# Allegro board 08_041351d.brd (continued)
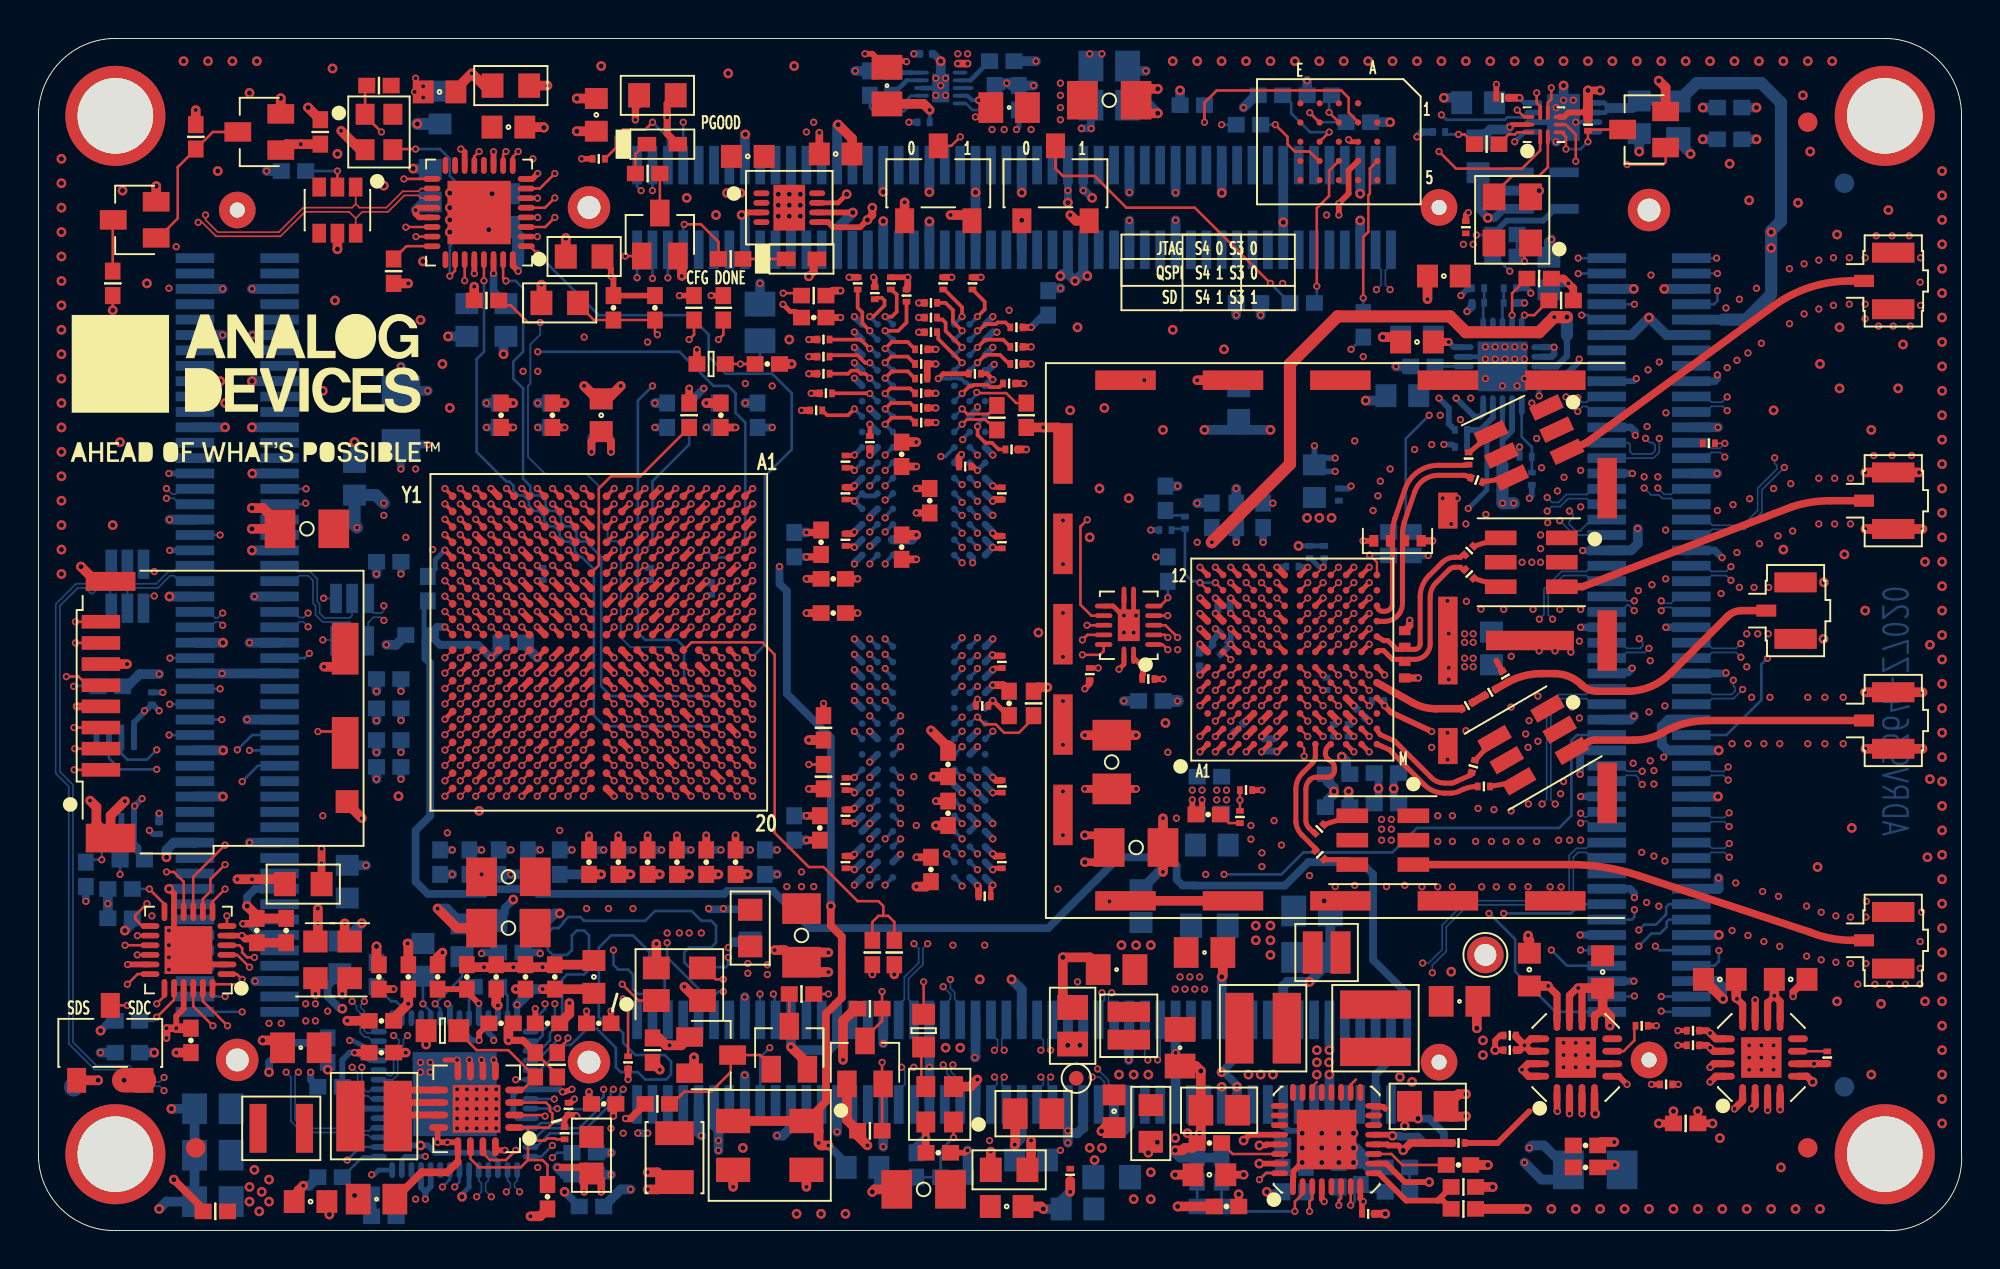
[diagram p0: board, top side]
## Routing (per net, layer and track width the routed paths; a pad name or vN(x,y) marks a point on that pad's centre or on a via; arc(x,y) is an arc through that point) (continued)
UNNAMED_10_RES_I39_N2: length 2.7
  TOP w0.14: Y4.1 77.27,51.04 v1(77.27,50.4)
  BOTTOM w0.14: v1(77.27,50.4) 77.14,50.53 R54.2 R55.2
UNNAMED_13_CN100PODDEVEN_I16_N4: length 6.8
  BOTTOM w0.089: JP3.2 16.31,31.52 16.18,31.64 14.78,31.64 14.4,32.02 14.4,32.49 14.28,32.62 14.28,33.81 14.03,34.06 13.57,34.06 13.29,33.77 JX3.58
UNNAMED_13_CN100PODDEVEN_I16_N5: length 6.8
  BOTTOM w0.089: JP4.2 16.31,31.99 16.18,31.86 14.87,31.86 14.62,32.11 14.62,32.58 14.49,32.71 14.49,33.9 14.12,34.27 13.51,34.27 13.21,34.57 JX3.60
UNNAMED_13_CN100PODDEVEN_I17_N4: length 4.9
  BOTTOM w0.089: JP1.2 4.62,33.25 4.79,33.42 6.22,33.42 6.85,34.06 7.04,34.06 7.32,33.77 JX3.57
UNNAMED_13_CN100PODDEVEN_I17_N5: length 4.8
  BOTTOM w0.089: JP2.2 4.62,33.76 4.75,33.64 6.13,33.64 6.76,34.27 7.04,34.27 7.34,34.57 JX3.59
USB_ID: length 24.4
  TOP w0.14: U15.23 v1(19.63,51.69)
  L6_SIGNAL w0.095: v1(9.45,36.17) 9.76,35.86 13.01,35.86 17.83,40.68 17.83,49.89 v1(19.63,51.69)
  BOTTOM w0.14: JX3.63 v1(9.45,36.17)
USB_OTG_CPEN: length 21.1
  TOP w0.14: U15.17 v1(19,54.69)
  L6_SIGNAL w0.095: v1(13.91,38.57) 13.91,39.37 16.63,42.08 16.63,52.31 v1(19,54.69)
  BOTTOM w0.14: JX3.70 v1(13.91,38.57)
USB_OTG_N: length 32.1
  TOP w0.089: v1(8.31,52.43) 8.51,52.43 9.23,51.71 12.59,51.71 13.86,52.98 16.15,52.98 16.5,52.64 ; 16.5,52.64 16.84,52.98 18.18,52.98 19.03,53.83 19.76,53.83 19.9,53.69 U15.19 ; 16.5,52.64 U16.6
  L6_SIGNAL w0.089: v1(6.66,38.59) 6.91,38.34 7.55,38.34 8.69,39.48 8.69,51.67 8.82,51.8 8.82,52.18 8.56,52.43 v1(8.31,52.43)
  BOTTOM w0.089: JX3.69 7.4,38.57 7.13,38.3 6.95,38.3 v1(6.66,38.59)
USB_OTG_P: length 32.4
  TOP w0.089: 16.5,53.39 16.69,53.19 18.09,53.19 18.94,54.05 19.76,54.05 19.9,54.19 U15.18 ; 16.5,53.39 U16.1 ; 16.5,53.39 16.3,53.19 13.77,53.19 12.5,51.92 9.32,51.92 8.69,52.56 v1(8.69,52.81)
  L6_SIGNAL w0.089: v1(6.66,38.08) 7.65,38.08 8.94,39.37 8.94,51.57 9.07,51.69 9.07,52.28 8.69,52.66 v1(8.69,52.81)
  BOTTOM w0.089: JX3.67 7.35,37.77 7.04,38.08 v1(6.66,38.08)
USB_VBUS_OTG: length 19.8
  TOP w0.14: v1(19.1,52.18) 19.11,52.19 U15.22
  L6_SIGNAL w0.095: v1(13.9,37.83) 14.4,37.83 17.2,40.62 17.2,50.65 18.72,52.18 v1(19.1,52.18)
  BOTTOM w0.14: JX3.68 13.84,37.77 v1(13.9,37.83)
V_0_N: length 36
  TOP w0.127: U1.K9 v1(29.94,32.19)
  L16_SIGNAL w0.095: v1(29.94,32.19) 29.08,32.19 28.65,31.76 21.02,31.76 20.8,31.53 20.8,31.52 20.12,30.84 20.12,23.1 12.88,15.86 11.99,15.86 9.7,13.57 v1(9.7,12.17)
  BOTTOM w0.14: JX3.3 v1(9.7,12.17)
V_0_P: length 35
  TOP w0.127: U1.L10 v1(28.34,31.39)
  L16_SIGNAL w0.095: v1(10.59,11.37) 12.08,11.37 15.42,14.71 15.42,16.24 20.5,21.32 20.5,29.95 21.39,30.84 27.1,30.84 27.31,31.05 27.68,31.05 28.02,31.39 v1(28.34,31.39)
  BOTTOM w0.14: v1(10.59,11.37) JX3.1
VTT_0P75: length 21
  TOP w0.305: R150.2 v1(45.2,49.57)
  TOP w0.356: R162.2 v1(39.68,42.65) ; R154.2 R136.2 v1(46.66,45.07) ; R151.2 v1(47.49,49.57) ; v1(45.2,49.57) 45.2,49.13 45.19,48.99 R146.2 ; R149.2 v1(45.77,46.72) ; R155.2 v1(46.66,43.54) ; R156.2 v1(46.66,42.02) ; R139.2 v1(40.06,45.45) ; R152.2 v1(40.06,44.56) ; R141.2 v1(40.06,46.34) ; R144.2 v1(42.15,49.57) ; R137.2 v1(45.77,47.48) ; R138.2 v1(46.66,45.83) ; R153.2 v1(51.61,45.07) ; R163.2 v1(40.18,43.54) ; R140.2 v1(51.61,45.96) ; R143.2 v1(51.61,46.97) ; R145.2 v1(49.01,49.57) ; R159.2 v1(46.66,42.78) ; R148.2 v1(45.77,48.24) ; R147.2 v1(51.23,44.05)
  TOP w0.406: R160.2 v1(51.36,40.62)
  BOTTOM w0.203: U14.3 48.52,59.42
  BOTTOM w0.305: 76.13,39.8 76.13,41.1 76.63,41.6 U24.2
  BOTTOM w0.381: C101.1 52.25,47.61 v1(51.61,46.97)
  BOTTOM w0.508: v1(51.74,59.54) C80.1 50.6,59.54 50.47,59.67 v1(50.34,59.67) 50.22,59.67 50.09,59.54 R161.1
  BOTTOM w0.635: v1(76.71,37.83) v1(76.13,37.83) 76.13,39.8
  vias: v1(49.58,57.26) v1(50.22,57.26) v1(51.61,57.26)
VTTVREF: length 133.5
  TOP w0.127: U1.P6 v1(25.94,34.59) ; U1.H6 v1(31.54,34.59)
  TOP w0.254: v1(46.79,44.3) 47.04,44.56 C122.2 ; v1(42.43,40.33) 42.4,40.3 C102.1 ; v1(48.83,27.63) 48.76,27.56 C123.2 ; v1(42.43,23.57) 42.4,23.54 C103.1
  TOP w0.508: C81.1 46.03,58.59 v1(46.34,58.27)
  L3_SIGNAL w0.254: v1(46.79,44.3) 45.9,44.3 45.26,43.67 45.26,41.76 44.63,41.13 42.72,41.13 42.43,40.83 v1(42.43,40.33)
  L6_SIGNAL w0.254: v1(46.79,44.3) 46.15,44.3 45.26,45.19 45.26,48.75 45.9,49.38 45.9,52.23 45.85,52.28 45.85,57.78 v1(46.34,58.27) 47.42,58.27 49.2,56.5 62.41,56.5 68,50.91 71.17,50.91 72.95,49.13 72.95,47.73 74.54,46.15 74.54,44.05 75.11,43.48 75.11,40.24 74.09,39.22 74.09,38.82 74.35,38.56 v1(74.35,37.55)
  L9_POWER w0.203: v1(31.54,34.59) 31.93,34.98 31.93,37.19 32.13,37.4 32.5,37.4 32.73,37.63 32.73,37.99 32.93,38.2 37.9,38.2
  L9_POWER w0.254: v1(42.43,40.33) 41.29,40.33 39.17,38.21 37.91,38.21 37.9,38.2
  L15_SIGNAL w0.203: v1(31.54,34.59) 31.14,34.2 26.57,34.2 26.18,34.59 v1(25.94,34.59)
  L16_SIGNAL w0.254: v1(42.43,23.57) 42.43,24.45 42.85,24.87 43.74,24.87 43.99,24.62 46.03,24.62 47.17,25.76 47.17,26.52 47.8,27.16 48.36,27.16 v1(48.83,27.63) 48.66,27.79 47.42,27.79 46.41,28.81 46.41,41.38 46.03,41.76 46.03,43.92 46.41,44.3 v1(46.79,44.3)
  BOTTOM w0.178: 47.83,44.3 47.81,44.3 47.79,44.32 47.46,44.32 47.44,44.3 47.43,44.3
  BOTTOM w0.203: 47.83,44.3 47.98,44.3 48.19,44.1 48.26,44.1 U3.M8 ; C84.1 v1(46.34,58.27) 46.34,58.41 46.14,58.62 U14.6 ; 47.43,44.3 v1(46.79,44.3) ; U2.H1 v1(42.43,23.57)
  BOTTOM w0.254: v1(74.35,37.55) 75.31,38.51 75.31,41 76.13,41.82 U24.3 ; U2.M8 48.83,27.57 v1(48.83,27.63) ; U3.H1 v1(42.43,40.33)
  BOTTOM w0.305: C76.1 26.06,34.46 v1(25.94,34.59) ; C77.1 31.66,34.46 v1(31.54,34.59)
XTAL_N: length 3.4
  TOP w0.127: v1(69.22,35.14) 69.6,34.75 U17.M12
  BOTTOM w0.14: C216.2 C165.1 70.18,35.14 v1(69.22,35.14)

## Copper pours and planes (outline as drawn; the poured copper is in the pictures)
1.0V on TOP: 36.37,12.94 36.37,15.22 37.64,15.22 37.64,14.01 38.15,14.01 38.15,12.94
1.0V on TOP: 57.08,1.25 56.57,1.76 56.57,2.14 57.08,2.65 57.08,5.19 58.47,5.19 58.47,1.25
1.0V on TOP: 12.37,7.22 12.37,0.49 9.45,0.49 9.45,7.22
1.0V on BOTTOM: 9.45,7.22 9.45,0.49 12.37,0.49 12.37,7.22
1.0V on BOTTOM: 56.31,1.38 56.31,5.19 58.47,5.19 58.47,1.38
1.0V on L3_SIGNAL: 57.08,5.95 57.08,11.41 37.39,11.41 36.63,12.17 36.63,12.81 35.99,13.44 35.99,14.46 63.3,14.46 64.31,13.44 64.31,5.32 59.36,0.36 9.32,0.36 9.32,7.35 14.78,7.35 16.69,5.44 27.48,5.44 28.25,4.68 33.33,4.68 34.6,3.41 36.12,3.41 36.37,3.66 52.12,3.66 52.38,3.41 54.54,3.41
1.8V on TOP: 58.98,12.3 60.89,12.3 60.89,13.32 60.38,13.32 60.38,15.35 58.6,15.35 57.33,14.21 56.44,14.21 56.44,12.05 55.68,11.41 55.68,11.03 57.71,11.03
1.8V on TOP: 11.74,11.54 11.74,10.65 15.29,10.65 15.29,12.05 15.04,12.3 15.04,13.32 13.51,13.32
1.8V on TOP: 78.03,5.32 77.14,6.2 77.14,6.97 76.63,7.47 76.63,8.49 76.89,8.74 77.65,8.74 77.65,7.47 78.41,6.71 81.33,6.71 81.71,6.33 81.71,5.44 81.46,5.19 80.57,5.19 80.19,4.81 80.19,2.9 79.94,2.65 78.54,2.65 78.03,3.16
1.8V on TOP: 28.75,5.44 28.75,4.3 30.53,4.3 30.53,5.44
1.8V on L9_POWER: 89.32,9.45 89.29,9.46 91.24,11.41 91.24,42.15 87.17,46.21 75.49,46.21 74.22,47.48 74.22,53.19 74.35,53.32 95.81,53.32 99.11,50.02 99.11,8.11 92.64,1.63 15.29,1.63 11.79,5.14 11.79,12.1 13.39,13.7 22.28,13.7 28.63,7.35 31.55,7.35 32.18,6.71 63.17,6.71 63.17,10.4 61.52,12.05 58.85,12.05 58.85,16.36 60,17.51 67.24,17.51 67.87,17 70.28,14.59 71.17,14.08 73.33,14.08 74.98,12.17 75.11,12.05 75.11,8.62 88.44,8.62 89.13,9.3 89.14,9.27 89.16,9.24 89.19,9.21 89.27,9.17 89.35,9.21 89.38,9.24 89.41,9.32 89.38,9.39 89.35,9.43 ; 15 cut-outs
1.35V on TOP: 62.79,16.11 62.79,13.95 66.73,13.95 66.73,16.11
1.35V on BOTTOM: 65.71,17.38 65.71,13.44 62.79,13.44 61.39,14.97 61.39,17.25 61.52,17.38
1.35V on L10_POWER: 50.85,1.51 50.85,4.81 51.49,5.44 52,5.44 52.25,5.19 52.25,3.54 52.88,2.9 57.08,2.9 58.73,4.55 58.73,15.86 60.12,17.25 64.31,17.25 66.22,15.35 66.22,12.43 64.44,10.65 62.92,10.65 61.65,9.38 61.65,2.65 59.74,0.74 51.61,0.74
3.3V on TOP: 37.64,53.32 35.8,53.32 35.42,53.7 35.42,56.43 36.56,56.43 36.56,55.1 36.95,54.72 37.64,54.72
3.3V on L10_POWER: 9.45,21.19 11.99,18.65 11.99,17.76 11.23,17 0.69,17 0.56,17.13 0.56,50.78 11.1,61.32 37.01,61.32 37.9,60.43 37.9,53.83 37.39,53.32 36.37,53.32 32.06,57.64 25.07,57.64 24.44,58.27 12.5,58.27 10.09,55.86 10.09,32.49 7.93,30.33 5.77,30.33 5.13,29.7 5.13,28.81 5.77,28.18 8.18,28.18 9.45,26.91
3.3V on L10_POWER: 70.41,61.2 70.41,42.4 78.16,42.4 81.59,45.83 81.59,61.2 ; 4 cut-outs
3.3V on L15_SIGNAL: 11.99,18.9 10.34,18.9 9.83,18.4 9.83,18.02 12.37,15.48 17.71,15.48 20.37,18.14 25.33,18.14 25.83,17.63 25.83,15.09 26.6,14.33 26.6,12.68 30.02,9.25 30.02,7.6 30.66,6.97 31.04,6.97 31.55,7.47 31.55,10.78 26.6,15.73 26.6,18.14 25.33,19.41 19.86,19.41 17.96,17.51 13.39,17.51
3.3V on L15_SIGNAL: 34.98,53.64 36.82,53.64 36.82,55.54 37.33,56.05 78.96,56.05 81.71,58.81 81.71,59.67 33.07,59.67 32.31,58.91 32.31,57.77 32.69,57.39 33.96,57.39 34.6,56.75 34.6,54.02
GND on TOP: 38.66,18.14 38.66,16.11 40.69,16.11 40.69,18.14
GND on TOP: 92.84,10.19 91.05,11.98 91.05,12.49 91.37,12.81 91.37,13.7 91.11,13.95 79.17,13.95 78.67,14.46 73.65,14.46 71.49,16.62 62.6,16.62 62.6,24.87 62.73,25 62.98,25 63.11,24.87 63.3,24.87 63.43,25 63.81,25 63.93,24.87 64.12,24.87 64.25,25 64.67,25 64.67,23.55 65.01,23.55 65.01,23.91 65.36,23.91 65.36,23.97 65.61,23.97 65.61,25 67.6,25 68.18,24.43 68.18,24.36 67.68,24.36 67.68,24.17 67.3,24.17 67.3,23.41 66.92,23.41 66.92,22.9 66.41,22.9 66.41,22.27 65.84,22.27 65.84,21.44 66.98,21.44 66.98,21.89 67.55,21.89 67.55,22.01 67.74,22.01 67.74,20.68 69.65,20.68 69.65,23.12 68.21,24.55 68.21,25 69.55,25 69.55,30.65 70.86,30.65 70.86,33.51 71.49,33.51 71.49,34.65 72.95,34.65 72.95,35.16 74.96,35.16 74.96,34.37 74.72,34.37 74.72,33.42 74.37,33.42 74.37,33.8 72.21,33.8 72.21,33.29 72.15,33.29 72.15,32.91 74.51,32.91 74.51,32.52 77.45,32.52 77.45,34.37 75.72,34.37 75.72,35.11 77.45,35.11 77.45,37 74.5,37 74.5,36.49 72.77,36.49 72.77,38.38 74.02,38.38 74.02,40.44 72.24,40.44 71.78,39.98 71.78,36.83 69.7,36.83 69.7,34.9 67.74,34.9 67.74,37.19 66.16,38.78 66.16,45 66.92,45.76 69.33,45.76 69.78,45.32 73.46,45.32 74.28,46.14 81.6,46.14 85.78,50.32 85.78,54.23 98.68,54.23 98.91,54 98.91,10.19 ; 21 cut-outs
GND on TOP: 66.09,6.71 67.81,6.71 67.81,10.27 66.09,10.27
GND on TOP: 37.2,55.23 38.22,55.23 38.22,51.99 39.87,51.99 39.87,54.97 38.41,56.43 37.2,56.43
GND on TOP: 17.9,59.1 18.98,59.1 19.48,58.59 20.56,58.59 20.56,60.24 17.9,60.24
GND on TOP: 58.73,9.13 60.25,9.13 61.01,8.36 61.01,5.32 60.63,4.93 60.63,4.3 60.25,3.92 58.98,3.92 58.85,4.05 58.85,8.11 58.73,8.24
GND on TOP: 74.35,12.68 74.35,10.9 73.84,10.4 73.84,9.38 74.73,8.49 75.62,8.49 76.25,9.13 76.25,11.92 75.49,12.68
GND on TOP: 19.61,8.11 19.74,7.98 20.63,7.98 21.39,8.74 21.39,9 19.74,9 19.61,8.87
GND on BOTTOM: 65.46,2.84 66.47,2.84 66.73,3.09 69.2,3.09 69.39,2.9 70.47,2.9 70.47,3.79 68.95,5.32 65.46,5.32
GND on BOTTOM: 60.69,24.05 60.69,19.48 60.76,19.41 59.55,19.41 59.55,23.86 59.74,24.05
GND on BOTTOM: 38.15,54.27 38.15,52.24 39.99,52.24 39.99,54.27
GND on BOTTOM: 60.38,24.62 60.38,30.59 61.14,30.59 61.14,31.35 61.71,31.35 61.71,32.24 61.46,32.24 61.46,34.02 60.38,34.02 60.38,34.53 66.92,34.53 66.92,34.21 67.55,34.21 67.55,34.53 70.16,34.53 70.16,24.62 ; 3 cut-outs
GND on BOTTOM: 83.49,24.43 83.81,24.11 83.81,22.97 84.82,22.97 84.82,26.71 84.76,26.78 84.38,26.78 83.49,25.89
GND on BOTTOM: 19.36,58.72 21.45,58.72 21.45,60.18 19.36,60.18
GND on BOTTOM: 66.16,7.86 67.43,7.86 67.43,9.7 66.35,9.7 66.16,9.51
GND on BOTTOM: 73.33,31.67 73.33,30.33 74.73,30.33 74.98,30.59 76.19,30.59 76.19,31.67
GND on L2_GROUND: 3.74,0.62 2.34,1 1.2,2.01 0.69,3.16 0.69,58.27 0.94,59.54 1.58,60.43 2.59,61.2 3.74,61.32 96.7,61.32 97.59,61.2 98.6,60.43 99.11,59.67 99.37,58.66 99.37,3.41 99.11,2.39 98.6,1.51 97.59,0.87 96.45,0.62 ; 15 cut-outs
GND on L3_SIGNAL: 89.84,10.27 85.65,14.46 69.55,14.46 69.55,17.81 66.17,17.81 63.68,20.3 63.68,23.73 65.2,25.25 65.2,25.76 65.61,26.17 68.89,26.17 68.89,31.6 68.38,32.11 68.38,34.22 67.92,34.22 67.74,34.4 67.74,44.61 80.06,44.61 85.78,50.32 85.78,54.24 98.68,54.24 98.91,54.01 98.91,10.65 98.53,10.27
GND on L5_GROUND, L14_GROUND, L17_GROUND: 3.74,0.62 2.34,1 1.2,2.01 0.69,3.16 0.69,58.27 0.94,59.54 1.58,60.43 2.59,61.2 3.74,61.32 96.7,61.32 97.59,61.2 98.6,60.43 99.11,59.67 99.37,58.66 99.37,3.41 99.11,2.39 98.6,1.51 97.59,0.87 96.45,0.62 ; 2 cut-outs
GND on L8_GROUND, L11_GROUND: 3.74,0.62 2.21,1 1.07,2.14 0.69,3.28 0.69,58.91 1.32,60.31 2.34,61.2 3.74,61.32 96.57,61.32 97.59,61.2 98.6,60.43 99.11,59.67 99.37,58.53 99.37,3.41 99.11,2.39 98.6,1.51 97.59,0.87 96.45,0.62 ; 2 cut-outs
VCC-1P35 on TOP: 52.91,57.66 52.91,59.65 52.48,60.08 47.6,60.08 47.6,61.5 55.07,61.5 55.07,57.66 ; 1 cut-out
VCC-1P35 on BOTTOM: 47.55,61.45 47.55,60.18 48.44,60.18 48.44,61.45
VCC-1P35 on BOTTOM: 55.93,15.09 56.44,14.59 59.87,14.59 60.5,15.22 60.5,16.24 60.25,16.49 55.93,16.49
VCC-1P35 on L9_POWER: 41.33,18.27 41.33,39.48 41.2,39.48 41.2,48.75 41.45,49 42.09,49 43.11,47.99 43.11,43.16 45.14,41.13 47.55,41.13 47.8,41.38 47.8,46.08 48.19,46.46 48.95,46.46 49.46,46.97 49.96,46.97 50.34,46.59 50.34,39.99 50.6,39.73 51.61,39.73 52.38,40.49 52.38,45.83 52.63,46.08 52.63,49.26 52.38,49.51 52.38,59.42 52.76,59.8 54.28,59.8 58.35,55.73 58.35,37.7 53.14,32.49 53.14,23.86 51.36,22.08 51.36,18.78 50.09,17.51 42.09,17.51
VCC-3P3V on TOP: 21.19,58.66 21.19,60.5 24.18,60.5 24.18,58.66
VCC-3P3V on L3_SIGNAL: 12.75,61.45 46.03,61.45 46.03,60.43 45.14,59.54 26.34,59.54 25.2,58.4 17.07,58.4 16.18,57.51 13.39,57.51 12.63,56.75 12.63,54.97 11.74,54.08 11.36,54.08 10.97,54.46 10.97,59.67
VCC-3P3V-IO on L9_POWER: 0.69,7.35 0.69,41 6.53,46.84 12.63,46.84 25.33,59.54 30.15,59.54 35.87,53.83 35.87,48.5 31.04,43.67 31.04,34.91 30.41,34.27 23.93,34.27 23.48,34.34 22.4,35.41 22.4,40.11 20.63,41.89 12.5,41.89 6.91,36.3 6.91,23.48 4.24,23.48 4.24,18.4 4.62,18.02 7.8,18.02 8.18,17.63 8.18,7.35
VCC-BRAM on BOTTOM: 54.41,4.3 54.41,0.87 55.42,0.87 55.42,4.55 54.66,4.55
VCC-BRAM on L9_POWER: 37.01,31.86 31.42,31.86 30.91,31.35 30.91,30.72 32.69,28.94 36.76,28.94 37.39,28.3 37.39,16.49 38.79,15.09 51.61,15.09 55.17,18.65 55.17,21.06 54.41,21.83 52.38,21.83 52,21.44 52,18.27 50.73,17 41.84,17 40.69,18.14 40.69,28.18
VCC-BRAM on L10_POWER: 54.41,3.28 54.41,6.33 55.3,7.22 55.3,10.01 54.54,10.78 53.39,10.78 53.39,21.19 56.69,21.19 58.35,19.54 58.35,4.93 56.69,3.28
VCC-BRAM on L16_SIGNAL: 54.22,3.41 55.11,3.41 55.55,3.85 55.55,4.68 54.54,5.7 54.47,5.7 54.03,5.25 54.03,3.6
VCCINT-1P0V on TOP: 25.33,14.97 25.33,19.16 26.34,19.16 27.99,20.81 29.52,20.81 29.52,19.41 27.87,19.41 27.61,19.16 27.61,17.51 37.64,17.51 37.64,15.98 29.9,15.98 29.9,14.97
VCCINT-1P0V on L9_POWER: 24.94,29.7 24.94,27.54 28.25,27.54 28.25,21.7 27.36,20.81 27.36,19.03 28.25,18.14 28.25,16.62 28.75,16.11 36.25,16.11 36.88,16.75 36.88,27.92 36.37,28.43 32.56,28.43 30.02,30.97 25.83,30.97
VCCO-DDR on TOP: 46.92,1.38 46.92,3.03 47.17,3.28 48.44,3.28 48.69,3.54 48.69,5.06 48.95,5.32 49.46,5.32 49.71,5.06 49.71,1.63 49.2,1.12 47.17,1.12
VCCO-DDR on L10_POWER: 50.09,29.06 48.44,34.4 42.98,36.05 38.79,36.05 37.9,35.16 35.99,35.16 35.61,34.78 23.04,34.78 20.75,37.07 20.75,40.11 22.79,42.15 23.29,42.15 23.67,41.76 23.67,41.38 24.06,41 25.33,41 25.58,41.26 25.58,41.89 25.83,42.15 26.09,42.15 26.34,41.89 26.34,41.38 26.72,41 30.28,41 31.68,42.4 35.1,42.4 35.49,42.02 35.49,41.38 35.74,41.13 36.5,41.13 36.88,41.64 36.88,42.15 37.14,42.4 54.66,42.4 54.66,23.35 52.88,21.57 52.88,10.78 52.25,10.14 52.25,6.84 50.47,5.06 50.47,4.3 49.96,3.79 49.2,3.79 49.2,8.74 50.09,9.89
VCCPCOM-1P8V on TOP: 25.07,55.61 25.07,54.85 25.33,54.59 25.83,54.59 26.34,55.1 26.34,55.99 26.21,56.12 25.58,56.12
VCCPCOM-1P8V on TOP: 17.93,58.59 18.91,58.59 19.31,58.2 23.9,58.2 24.08,58.02 24.08,56.42 23.83,56.17 23.8,56.01 23.52,56.01 23.5,56.12 23.14,56.47 22.73,56.47 22.38,56.12 22.3,56.01 21.87,56.01 20.82,57.07 18.45,57.07 17.93,57.59
VCCPCOM-1P8V on TOP: 14.53,38.08 14.53,35.48 18.21,35.48 18.21,38.08
VCCPCOM-1P8V on BOTTOM: 61.14,43.8 61.14,48.62 62.66,48.62 62.66,46.59 63.68,46.59 63.68,43.8
VCCPCOM-1P8V on BOTTOM: 16.56,17.76 14.4,17.76 14.02,17.38 14.02,15.73 14.28,15.48 14.66,15.48 15.17,15.98 15.17,16.49 15.29,16.62 16.44,16.62 16.56,16.75
VCCPCOM-1P8V on L10_POWER: 65.9,42.84 37.45,42.84 36.76,42.15 36.76,41.76 36.37,41.38 36.12,41.38 35.87,41.64 35.87,42.27 35.36,42.78 31.29,42.78 30.02,41.38 27.1,41.38 26.72,41.76 26.72,42.15 26.34,42.53 25.58,42.53 25.33,42.27 25.33,41.51 25.2,41.38 24.31,41.38 24.06,41.64 24.06,42.02 23.55,42.53 22.53,42.53 20.25,40.24 20.25,36.81 22.79,34.27 35.74,34.27 36.25,34.78 37.01,34.78 38.91,32.87 38.91,31.6 39.93,30.59 43.36,30.59 44.38,29.57 44.38,14.08 45.01,13.44 45.01,9 45.52,8.49 47.93,8.49 48.69,7.73 48.69,2.52 48.19,2.01 9.96,2.01 6.78,1.89 1.45,7.22 1.45,16.11 11.23,16.11 12.5,17.38 12.5,18.9 9.96,21.44 9.96,24.11 10.09,24.24 10.09,25.51 9.96,25.64 9.96,27.03 8.31,28.68 6.02,28.68 5.64,29.06 5.64,29.45 6.02,29.83 8.31,29.83 10.85,32.37 10.85,55.86 12.75,57.77 24.18,57.77 25.07,56.88 31.8,56.88 35.74,52.94 37.64,52.94 43.49,58.78 47.8,58.78 50.47,61.45 69.52,61.45 69.78,61.2 69.78,46.72 ; 8 cut-outs
VCCPINT-1P0V on TOP: 55.68,8.36 55.68,6.46 56.69,6.46 57.2,5.95 57.96,5.95 58.35,6.33 58.35,7.35 57.96,7.73 57.96,8.36
VCCPINT-1P0V on L9_POWER: 45.26,10.01 45.26,7.22 58.09,7.22 58.09,8.24 56.31,10.01 ; 1 cut-out
VCCPINT-1P0V on L9_POWER: 24.94,34.02 30.91,34.02 33.07,36.18 39.68,36.18 40.57,35.29 40.57,31.86 40.06,31.35 38.28,31.35 37.39,32.24 31.29,32.24 30.41,31.35 26.21,31.35 25.33,32.24 25.33,32.75 24.56,33.51 24.56,33.64
VCCPINT-1P0V on L10_POWER: 42.85,35.67 39.04,35.67 38.41,35.03 38.41,34.27 39.3,33.38 39.3,31.86 40.18,30.97 43.61,30.97 44.76,29.83 44.76,14.33 45.39,13.7 45.39,9.38 45.77,9 48.31,9 49.71,10.4 49.71,28.68 48.06,34.02
VCCPINT-1P0V on L12_SIGNAL: 55.68,9.63 57.84,9.63 58.73,10.52 76.38,10.52 79.3,7.6 79.3,3.28 78.03,2.01 67.36,2.01 63.3,6.08 56.19,6.08 55.04,7.22 55.04,9 ; 4 cut-outs
VDD_INTERFACE on BOTTOM: 61.08,21.32 61.08,23.98 61.14,24.05 62.09,24.05 62.03,23.98 62.03,21.19 62.41,20.81 62.41,19.48 61.27,19.48 61.27,21.13
VDD_INTERFACE on L10_POWER: 71.17,17.89 59.87,17.89 58.98,18.78 58.98,19.54 56.82,21.7 56.06,21.7 55.55,22.21 55.55,30.21 57.96,30.21 58.73,29.45 61.39,29.45 62.41,30.46 62.41,31.86 63.68,33.13 63.68,34.91 63.93,35.16 67.36,35.16 67.36,32.62 66.22,31.48 66.22,28.18 65.46,27.41 62.79,27.41 62.54,27.16 62.54,22.46 63.81,21.19 66.73,21.19 67.74,20.17 73.97,20.17 74.73,19.41 74.73,12.68 76.38,11.03 76.38,8.74 77.4,7.73 81.84,7.73 82.35,8.24 85.65,8.24 85.65,3.16 77.78,3.16 71.43,9.51 71.43,17.63
VDD_INTERFACE on L12_SIGNAL: 34.67,24.8 34.67,24.85 35.61,23.98 35.61,23.48 35.74,23.35 35.74,23.1 35.49,22.84 34.09,22.84 32.82,24.11 32.82,25.13 32.59,25.36 32.59,25.74 32.11,25.74 32.11,25.31 31.68,24.87 31.68,21.95 32.69,20.94 34.72,20.94 38.79,16.87 40.44,16.87 41.33,15.98 44.25,15.98 44.76,16.49 49.58,16.49 56.69,23.6 61.65,23.6 62.54,22.71 62.54,21.95 58.65,18.07 54.84,18.07 51.74,14.97 43.11,14.97 41.33,13.19 39.3,13.19 36.88,15.6 36.5,15.6 33.83,18.27 31.42,18.27 29.14,20.56 29.14,23.1 27.1,25.13 27.1,26.52 28.12,27.54 31.8,27.54 33,26.45 33,25.64 33.73,25.64 33.73,25.74 33.86,25.61 33.86,24.8
VDDA_GPO on L10_POWER: 79.05,41.76 82.35,45.07 82.35,61.2 88.32,61.2 88.32,39.22 85.14,36.05 73.08,36.05 71.43,37.7 61.52,37.7 59.49,35.67 59.49,32.37 59.87,31.99 60.5,31.99 60.89,31.6 61.52,31.6 61.52,30.33 61.14,29.95 58.73,29.95 57.96,30.72 56.06,30.72 55.68,31.1 55.68,37.19 60.25,41.76 ; 3 cut-outs
1P3_SUPPLY_A on L10_POWER: 77.9,8.11 76.89,9.13 76.89,11.28 75.49,12.68 75.49,19.54 74.47,20.56 70.36,20.56 70.36,21.37 69.55,21.37 69.55,20.56 68.25,20.56 67.24,21.57 64.02,21.57 62.87,22.72 62.79,27.03 65.58,27.03 66.73,28.18 66.73,31.22 67.74,32.11 67.74,35.41 67.49,35.67 63.81,35.67 62.66,34.53 62.66,32.62 62.03,31.99 61.01,31.99 60.5,32.49 60.5,35.67 61.9,37.07 71.3,37.07 81.92,26.45 81.92,10.12 78.92,10.12 78.92,8.11
1P3_SUPPLY_B on BOTTOM: 73.33,29.95 73.33,29.13 74.66,29.13 74.86,28.87 76.13,28.87 76.13,29.95
1P3_SUPPLY_B on BOTTOM: 65.71,36.62 67.81,36.62 67.81,38.14 67.17,38.14 66.66,38.65 65.71,38.65
1P3_SUPPLY_B on L9_POWER: 67.87,22.08 69.78,23.98 69.78,35.62 66.42,35.62 64.95,37.09 64.95,38.21 63.81,39.35 59.74,39.35 59.62,39.48 59.62,43.42 59.87,43.67 69.78,43.67 74.86,38.59 74.86,36.68 79.3,36.68 79.3,45.57 85.9,45.57 90.73,40.75 90.73,11.79 88.19,9.25 85.78,9.25 84.89,10.14 75.62,10.14 75.62,14.84 72.44,14.84 72.44,14.97 69.39,18.14 63.17,18.14 62.28,19.03 62.28,22.08 ; 4 cut-outs
ADP2114_VIN on L16_SIGNAL: 60.76,4.55 60.76,0.74 73.2,0.74 73.2,4.55 ; 1 cut-out
JX_VCCO_13 on BOTTOM: 18.09,41.64 18.09,39.22 20.63,39.22 20.63,41.64
JX_VCCO_13 on L9_POWER: 7.55,22.97 7.55,35.92 12.88,41.26 20.37,41.26 22.02,39.61 22.02,34.27 23.04,33.26 24.31,33.26 24.82,32.75 24.82,30.72 24.44,30.72 24.44,28.81 19.99,28.81 19.99,26.14 18.09,26.14 17.58,25.64 17.58,19.67 16.44,18.52 5.01,18.52 4.75,18.78 4.75,22.97
JX_VCCO_34 on L9_POWER: 32.18,7.35 28.75,10.78 25.71,10.78 24.06,12.43 24.06,12.81 22.66,14.21 22.53,14.21 18.21,18.52 18.21,25.51 20.37,25.51 20.37,28.3 24.56,28.3 24.56,27.29 24.69,27.16 27.74,27.16 27.74,21.95 26.98,21.19 26.98,18.52 27.74,17.76 27.74,16.24 28.63,15.35 36.76,15.35 37.64,14.46 51.61,14.46 55.55,18.4 55.55,21.32 53.77,23.1 53.77,31.1 58.35,31.1 58.35,11.54 61.39,11.54 62.66,10.27 62.66,7.22 59.87,7.22 56.57,10.52 44.12,10.52 40.95,7.35 ; 1 cut-out
JX_VIN on TOP: 62.03,7.09 62.54,8.24 64.57,8.24 64.82,6.59 64.82,5.44 64.76,5.38 62.03,5.38
JX_VIN on TOP: 39.73,57.31 39.73,55.58 40.21,55.1 40.21,53.93 40.31,53.83 41.3,53.83 41.51,54.03 41.51,55.38 41.17,55.71 41.17,56.95 40.95,58.02 40.06,58.02
JX_VIN on TOP: 32.06,4.05 32.06,4.3 31.04,4.3 31.04,5.32 34.09,5.32 34.09,4.55 34.85,4.55 35.1,4.81 35.61,4.81 35.61,4.17 35.49,4.05
JX_VIN on TOP: 54.15,9 54.54,9.38 54.54,9.76 54.15,10.14 53.77,10.14 52.12,8.49 52.12,4.05 53.01,3.16 53.9,3.16 54.15,3.41
JX_VIN on TOP: 69.01,5.32 69.01,6.59 69.27,6.59 70.16,7.47 70.54,7.98 71.81,7.98 71.81,5.32
JX_VIN on BOTTOM: 52.12,5.32 52.12,3.28 52.25,3.16 53.9,3.16 54.03,3.28 54.03,4.55 54.54,5.06 54.54,5.44 53.39,5.44 53.27,5.32
JX_VIN on L3_SIGNAL: 34.85,3.79 33.58,5.06 18.21,5.06 15.42,7.86 14.91,7.86 14.91,8.62 11.1,8.62 9.83,9.89 10.09,9.89 10.09,10.65 9.96,10.65 9.96,10.9 9.32,10.9 9.32,18.65 11.1,20.43 11.1,48.75 19.1,56.75 25.33,56.75 26.47,57.89 46.53,57.89 48.31,59.67 54.03,59.67 55.17,58.53 55.17,49.89 54.03,48.75 49.84,48.75 49.46,49.13 41.96,49.13 40.06,51.04 28.88,51.04 24.69,46.84 21.13,46.84 17.32,43.03 17.32,16.11 20.88,12.55 29.01,12.55 29.9,11.67 35.61,11.67 36.5,10.78 56.31,10.78 56.31,6.2 53.9,3.79 52.63,3.79 52.25,4.17 36.12,4.17 35.74,3.79 ; 3 cut-outs
JX_VIN on L10_POWER: 62.28,9.13 62.28,0.62 75.49,0.62 76,1.12 76,4.05 69.9,10.14 63.3,10.14 ; 7 cut-outs
JX_VIN on L10_POWER: 52.63,3.92 53.9,3.92 53.9,6.46 54.92,7.47 54.92,9.76 54.41,10.27 53.14,10.27 52.63,9.76
JX_VIN on L13_SIGNAL: 53.65,5.44 55.93,7.73 61.39,7.73 61.9,7.47 62.41,7.73 63.43,8.74 71.55,8.74 73.97,6.33 75.36,6.33 75.36,0.74 71.55,0.74 31.29,0.87 30.79,1.38 30.79,6.33 32.18,6.33 33.07,5.44 ; 3 cut-outs
JX_VIN on L15_SIGNAL: 52.38,3.28 68.51,3.28 70.41,5.19 70.54,4.93 71.93,4.93 72.44,5.44 72.44,7.35 71.43,8.36 69.01,8.36 68,7.35 66.09,7.35 64.19,10.14 53.52,10.14 53.01,9.63 53.01,7.86 52.38,7.22 ; 2 cut-outs
PG_1P0V on L12_SIGNAL: 47.55,5.57 62.79,5.57 63.3,5.06 63.3,3.79 60.12,0.62 26.47,0.62 24.06,3.03 24.06,4.93 26.34,7.22 28.25,7.22 30.66,4.81 46.79,4.81
PHY1_1V8 on BOTTOM: 18.15,0.3 20.31,0.3 20.31,2.33 18.15,2.33
PHY1_1V8 on L13_SIGNAL: 15.8,8.24 15.8,3.03 14.66,1.89 14.66,1 14.91,0.74 30.28,0.74 30.28,4.36 29.45,5.19 29.45,6.14 27.36,8.24 ; 1 cut-out
PHY1_AVDD_1V8 on L15_SIGNAL: 15.42,14.84 19.36,14.84 22.28,17.76 24.82,17.76 25.45,17.13 25.45,15.98 23.8,14.33 23.8,11.92 21.77,9.89 21.77,3.28 21.01,2.52 18.72,2.52 15.42,5.82
PHY1_AVDD_3V3 on L13_SIGNAL: 15.29,8.74 15.29,10.01 16.94,11.67 16.94,15.73 14.15,18.52 14.15,20.81 18.09,20.81 18.09,18.02 23.29,12.81 24.94,12.81 25.2,12.55 25.2,11.28 23.8,9.89 19.86,9.89 18.72,8.74
PHY1_VDD_3V3 on L7_SIGNAL: 14.28,13.06 14.28,5.06 21.77,5.06 21.9,5.19 21.9,7.47 23.29,7.47 23.67,7.09 23.67,5.06 31.55,5.06 31.55,9.76 29.52,11.79 23.04,11.79 21.77,13.06
SYNC on TOP: 18.21,7.73 19.1,7.73 19.36,7.47 20.25,7.47 20.25,5.82 20.12,5.7 18.34,5.7 18.21,5.82
UNNAMED_9_ADP2114_I1272_SW1 on TOP: 65.08,6.71 65.84,6.71 65.84,12.3 64.19,12.3 64.19,8.74 64.95,8.62
UNNAMED_9_ADP2114_I1272_SW3 on TOP: 68.12,6.71 68.76,6.71 70.6,8.55 71.36,8.55 71.36,10.01 68.38,10.01 68.25,9.89 68.25,7.73 68.12,7.6
UNNAMED_9_CAP_I1364_N1 on TOP: 62.92,12.3 62.92,9.13 62.66,8.87 61.52,8.87 60.5,9.89 58.73,9.89 58.12,9.38 55.42,9.38 55.42,10.52 57.84,10.52 58.35,11.03 60.38,11.03 61.65,12.3
UNNAMED_9_CAP_I1394_N1 on TOP: 14.15,7.86 13.51,7.22 13.51,3.54 14.15,2.9 16.56,2.9 16.82,3.16 16.82,7.86 15.8,7.86 15.55,8.11 15.55,10.27 14.02,10.27 14.02,8.87 14.28,8.87 14.66,8.49 14.66,8.11 14.4,7.86
UNNAMED_9_CAP_I1401_N1 on TOP: 67.36,15.54 69.14,15.54 69.14,14.08 69.65,13.57 71.81,13.57 72.63,12.74 73.59,12.74 73.59,11.03 68.25,11.03 67.36,11.92
UNNAMED_10_ADM7160_I65_VOUT on TOP: 73.46,49.13 73.46,51.49 73.97,51.49 73.97,52.05 76.13,52.05 76.13,49.13
UNNAMED_10_ADM7160_I65_VOUT on BOTTOM: 76,52.43 76,51.42 75.01,51.42 74.63,51.04 73.84,51.04 73.84,51.92 74.09,52.18 75.74,52.18
VTT_0P75 on TOP: 50.8,57.66 52.27,57.66 52.27,59.85 50.14,59.85 50.14,59.49 50.8,58.96
VTT_0P75 on BOTTOM: 47.83,59.49 48.16,59.49 48.19,59.52 48.97,59.82 49.23,60 52.02,60 52.76,59.16 52.76,56.88 52.5,56.62 49.2,56.62 49.2,57.64 51.61,57.64 51.61,59.16 48.62,59.11 48.24,59.32 47.83,59.32
VTT_0P75 on L9_POWER: 51.87,59.42 51.87,49.38 52.25,49 52.25,46.46 51.87,46.08 51.87,40.49 51.49,40.11 50.85,40.11 50.73,40.24 50.73,46.84 50.22,47.35 47.93,47.35 47.42,46.84 47.42,42.02 47.04,41.64 45.52,41.64 43.61,43.54 43.61,48.24 42.47,49.38 41.2,49.38 40.82,49 40.82,42.4 40.31,41.89 39.42,41.89 37.77,43.54 37.77,58.15 41.07,61.45 70.16,61.45 73.59,58.02 73.59,46.84 74.86,45.57 78.67,45.57 78.67,37.95 78.03,37.32 75.49,37.32 75.49,39.22 70.41,44.3 58.98,44.3 58.98,55.73 54.54,60.18 52.63,60.18 ; 4 cut-outs

## Text on the board
BOTTOM: ADRV9364-Z7020
Ref Des/Silkscreen Bottom: 041351 REV D | PicoZed SDR 7020/AD9364
User.Comments: ASSEMBLY
Ref Des/Silkscreen Top: SDS | SDC | CFG DONE | PGOOD | 0 | 1 | JTAG  S4 0 S3 0 | QSPI  S4 1 S3 0 | SD   S4 1 S3 1
PAGE_OUTLINE: A | B | C | INITIAL RELEASE | AS PER ECR-061220 | AS PER ECR-067075 | 10FEB17 | N.W. | EVAL BOARD Z | 02-041351
DIMENSION: +2/-0 MILS | DIA MAX | SEE NOTE 15 | " " | REF | 4 PLACES
User.8: L2 GROUND | 08-      -07
User.9: L3 SIGNAL | 08-      -08
User.11: L4 SIGNAL | 08-      -09
User.12: L5 GROUND | 08-      -10
User.14: L6 SIGNAL | 08-      -11
User.15: L7 SIGNAL | 08-      -12
User.16: L8 GROUND | 08-      -13
User.17: L9 POWER | 08-      -14
User.18: INTERNAL SIGNAL (LAYER 12) | INTERNAL SIGNAL (LAYER 13) | GROUND PLANE    (LAYER 14) | INTERNAL SIGNAL (LAYER 15) | INTERNAL SIGNAL (LAYER 16) | GROUND PLANE    (LAYER 17) | LAYER | L1 | L3 | L4 | L6 | L7 | L12 | L13 | L15 | L16 | L18 | IMPEDANCE | 100 OHMS | 50 OHMS | 40 OHMS | 80 OHMS | ALL IMPEDANCES +/-10% | REFERENCE | L5/L2 | L5/L8 | L11/L14 | L14/L17 | L2 | LINE WIDTH | 15.5MILS | 10.5MILS | 3.5MILS | 7.75MILS | 3.75MILS | 5.5MILS | 5.1MILS | 6MILS | 10MILS | 6.5MILS | SPACE | 5MILS | N/A | 16.    BOARDS TO BE PANELIZED AND SHIPPED INTACT | IMPEDANCE TABLE
User.24: L10 POWER | 08-      -15
User.25: L11 GROUND | 08-      -16
User.26: L12 SIGNAL | 08-      -17
User.27: L13 SIGNAL | 08-      -18
User.28: L14 GROUND | 08-      -19
User.29: L15 SIGNAL | 08-      -20
User.30: L16 SIGNAL | 08-      -21
User.31: L17 GROUND | 08-      -22
User.35: 1. PINS 1 AND 2 OF JP1, JP2, JP3 AND JP4 SHOULD BE SHORTED BY THE ASSEMBLY | VENDOR BY APPLYING A SOLDER BLOB ACROSS THE PINS. | ASSEMBLY NOTES:
User.36: SECONDARY SIDE
User.45: 3 | 4 | 2 | FIGURE | SIZE | 8.0 | 10.0 | 45.0 | 31.0 | 47.0 | 155.0 | PLATED | NON-PLATED | FINISHED HOLES IN MILS | ALL UNITS ARE IN MILS | QTY | 1838 | 410 | 1 | TOLERANCE/NOTES | DRILLED HOLES LAYER 1 TO LAYER 2 | DRILLED HOLES LAYER 18 TO LAYER 17 | DRILLED HOLES LAYER 19 TO LAYER 20
